# Altium PCB uz_mz_adapter.PcbDoc (part 2 of 2)
Units mm, origin at the board's own origin, x right, y up, seen from the top; angles counter-clockwise.
Board outline 188 x 149.6 mm, 4 copper layers (Top Layer, L02_GND, Signal, Bottom Layer), stack 0.849 mm thick; 41 components, 175 nets, 808 pads, 287 vias.
Unrouted connection lines stored in the file: 183.
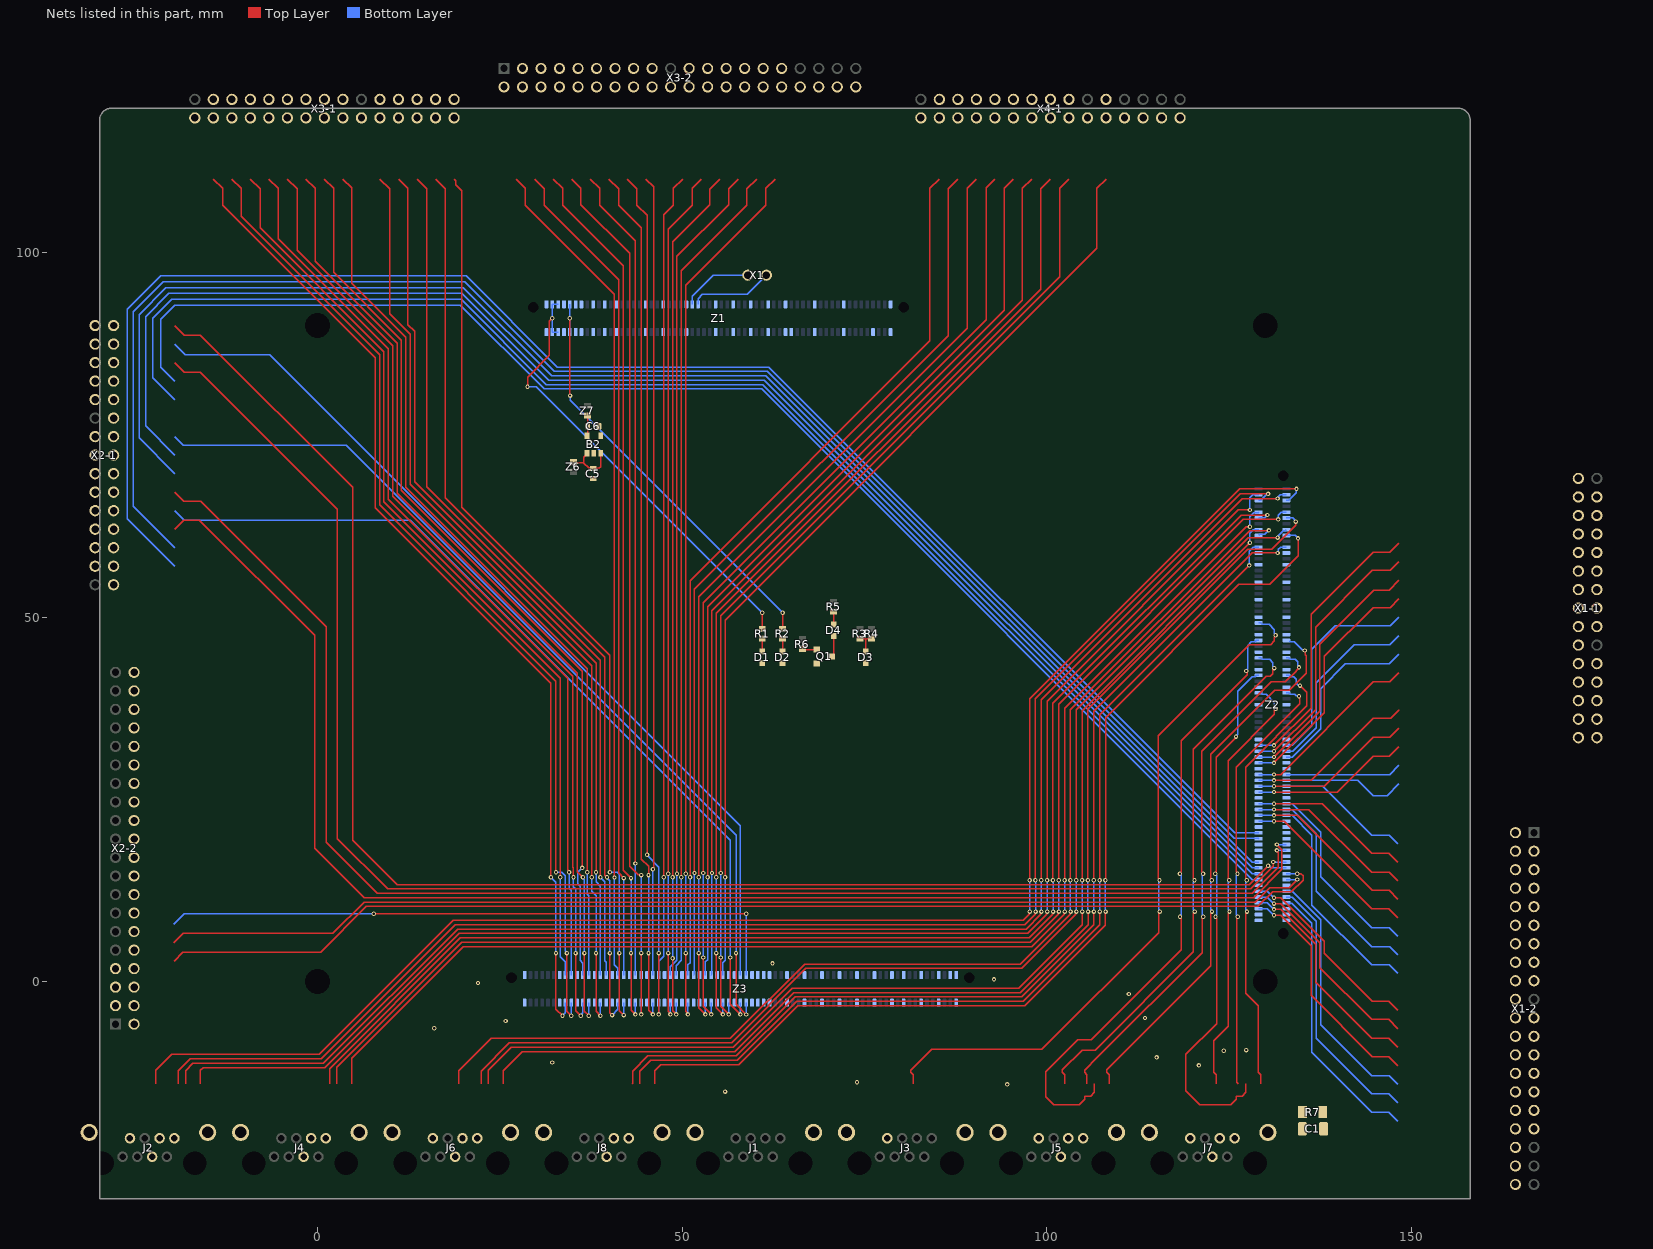
[diagram p4: the nets of this part, all layers, seen from the top]

## Via types
v1: diameter 0.6, hole 0.3, Top Layer to Bottom Layer, tented both sides, 287 vias

## Nets (pads, with @x,y where several pads share a name; then routed paths per layer and width w, separated by ;. In a path a pad name is that pad's centre, name@x,y a point inside that pad or via, vN(x,y) a via of type N, cw(c..) or ccw(c..) an arc to the next point about the centre after c; other vN are vias at no path point) (continued)
AI_P8: J3.7 Z2.47 | length 96.6
  Top Layer w0.2: 81.694,-13.995 81.694,-12.775 81.384,-12.465 81.384,-12.17 84.254,-9.3 99.366,-9.3 115.362,6.696 115.362,9.328 115.525,9.492 v1(115.525,9.6) ; v1(115.5,13.9) 115.5,14.008 115.337,14.172 115.337,33.737 127.8,46.2 130.729,46.2 131.264,46.734 131.264,47.228 131.427,47.392 v1(131.427,47.5)
  Bottom Layer w0.2: v1(115.5,13.9) 115.5,13.792 115.362,13.653 115.362,9.872 115.525,9.708 v1(115.525,9.6) ; Z2.47@129.1,49.2 129.4,49.2 129.6,49 130.529,49 131.264,48.266 131.264,47.772 131.427,47.608 v1(131.427,47.5)
AI_P9: J5.1 Z2.54 | length 75
  Top Layer w0.2: 108.592,-13.995 108.592,-12.775 108.282,-12.465 108.282,-12.084 122.537,2.171 122.537,9.328 122.7,9.492 v1(122.7,9.6) ; v1(122.675,13.9) 122.675,14.008 122.511,14.172 122.511,31.211 131.283,39.983 133.283,39.983 135.6,42.3 135.6,44.71 135.491,44.819 135.491,45.338 v1(135.414,45.414)
  Bottom Layer w0.2: v1(122.675,13.9) 122.675,13.792 122.537,13.653 122.537,9.872 122.7,9.708 v1(122.7,9.6) ; Z2.54@133.283,46.717 133.4,46.6 133.997,46.6 135.106,45.491 135.338,45.491 v1(135.414,45.414)
AI_P10: J5.3 Z2.53 | length 85.7
  Top Layer w0.2: 106.552,-13.995 106.552,-15.215 106.058,-15.709 105.339,-15.709 105.222,-15.826 105.222,-16.157 104.479,-16.9 101,-16.9 99.9,-15.8 99.9,-12.4 104.3,-8 106.134,-8 118.487,4.352 118.487,8.618 118.317,8.787 v1(118.317,8.896) ; v1(118.295,14.8) 118.295,14.908 118.459,15.072 118.459,33.024 127.543,42.109 127.543,42.349 127.4,42.492 v1(127.4,42.6)
  Bottom Layer w0.2: v1(118.317,8.896) 118.317,9.004 118.48,9.167 118.48,14.507 v1@118.338,14.649 ; v1(127.4,42.6) 127.4,42.708 127.583,42.892 127.583,46.099 128.084,46.6 128.6,46.6 128.8,46.8 Z2.53@129.1,46.8
AI_P11: J5.4 Z2.60 | length 73.4
  Top Layer w0.2: 105.532,-13.995 105.532,-12.775 105.222,-12.465 105.222,-12.144 106.966,-10.4 121.337,3.971 121.337,8.628 121.5,8.792 v1(121.5,8.9) ; v1(121.475,14.8) 121.475,14.908 121.311,15.072 121.311,31.6 130.811,41.1 132.766,41.1 134.267,42.601 134.267,42.631 134.627,42.992 v1(134.627,43.1)
  Bottom Layer w0.2: v1(121.475,14.8) 121.475,14.692 121.337,14.553 121.337,9.172 121.5,9.008 v1(121.5,8.9) ; Z2.60@132.9,44.4 133.2,44.4 133.4,44.2 134.112,44.2 134.464,43.849 134.464,43.372 134.627,43.208 v1(134.627,43.1)
AI_P12: J5.7 Z2.59 | length 73.9
  Top Layer w0.2: 102.472,-13.995 102.472,-12.775 102.162,-12.465 102.162,-12.104 104.866,-9.4 106.7,-9.4 120.162,4.062 120.162,9.328 120.325,9.492 v1(120.325,9.6) ; v1(120.3,13.9) 120.3,14.008 120.137,14.172 120.137,31.871 130.149,41.883 130.712,41.883 131.064,42.234 131.064,42.728 131.227,42.892 v1(131.227,43)
  Bottom Layer w0.2: v1(120.3,13.9) 120.3,13.792 120.162,13.653 120.162,9.872 120.325,9.708 v1(120.325,9.6) ; Z2.59@129.1,44.4 129.4,44.4 129.6,44.2 130.629,44.2 131.064,43.766 131.064,43.272 131.227,43.108 v1(131.227,43)
AI_P13: J7.1 Z2.66 | length 62.4
  Top Layer w0.2: v1(127.475,13.9) 127.475,14.008 127.3,14.183 127.3,29.434 135.7,37.834 135.7,39.677 134.781,40.596 v1(134.769,40.596) ; v1(127.5,9.6) 127.5,9.492 127.336,9.328 127.336,-1.574 129.06,-3.298 129.06,-12.465 129.37,-12.775 129.37,-13.995
  Bottom Layer w0.2: v1(127.475,13.9) 127.475,13.792 127.336,13.653 127.336,9.872 127.5,9.708 v1(127.5,9.6) ; Z2.66@132.9,42 133.2,42 133.4,41.8 133.916,41.8 134.267,41.449 134.267,40.913 134.508,40.672 134.584,40.672 134.732,40.524 v1@134.732,40.477
AI_P14: J7.3 Z2.65 | length 73
  Top Layer w0.2: v1(123.148,14.8) 123.148,14.908 123.311,15.072 123.311,30.777 125.717,33.183 125.717,33.209 126,33.492 v1(126,33.6) ; v1(123.173,8.9) 123.173,8.792 123.336,8.628 123.336,-5.763 119.1,-10 119.1,-14.966 121.034,-16.9 125.257,-16.9 126,-16.157 126,-15.826 126.117,-15.709 126.836,-15.709 127.33,-15.215 127.33,-13.995
  Bottom Layer w0.2: v1(123.148,14.8) 123.148,14.692 123.336,14.503 123.336,9.172 123.173,9.008 v1(123.173,8.9) ; v1(126,33.6) 126,33.708 126.212,33.92 126.212,39.812 128.2,41.8 128.6,41.8 128.8,42 Z2.65@129.1,42
AI_P15: J7.4 Z2.72 | length 59.1
  Top Layer w0.2: v1(126.197,14.8) 126.197,14.908 126.034,15.072 126.034,29.423 134.746,38.136 134.746,38.755 134.706,38.795 134.706,39.06 v1(134.629,39.137) ; v1(126.225,8.9) 126.225,8.792 126.062,8.629 126.062,-12.453 126.105,-12.496 126.105,-13.79 126.31,-13.995
  Bottom Layer w0.2: v1(126.197,14.8) 126.197,14.692 126.055,14.55 126.055,9.178 126.225,9.008 v1(126.225,8.9) ; Z2.72@132.9,39.6 133.2,39.6 133.4,39.4 134.084,39.4 134.27,39.213 134.553,39.213 v1(134.629,39.137)
AI_P16: J7.7 Z2.71 | length 59
  Top Layer w0.2: 123.25,-13.995 123.25,-12.775 122.94,-12.465 122.94,-8.126 124.936,-6.129 124.936,9.328 125.1,9.492 v1(125.1,9.6) ; v1(125.075,13.9) 125.075,14.008 124.911,14.172 124.911,30.311 131.264,36.663 131.264,37.128 131.427,37.292 v1(131.427,37.4)
  Bottom Layer w0.2: v1(125.075,13.9) 125.075,13.792 124.936,13.653 124.936,9.872 125.1,9.708 v1(125.1,9.6) ; Z2.71@129.1,39.6 129.4,39.6 129.6,39.4 130.116,39.4 131.264,38.252 131.264,37.672 131.427,37.508 v1(131.427,37.4)
EXT_DIO_0: X3-1.2 Z3.15 | length 136.6
  Top Layer w0.2: -14.3,110.1 -13,108.8 -13,106.5 7.9,85.6 7.9,65 32,40.9 v1(32,14.3) ; v1(32.7,3.9) 32.7,-3.8 v1(33.6,-4.7)
  Bottom Layer w0.2: v1(32,14.3) 32.7,13.6 v1(32.7,3.9) ; v1(33.6,-4.7) 33.6,-4.651 34,-4.251 Z3.15@34,-2.9
EXT_DIO_1: X3-1.3 Z3.17 | length 136.4
  Top Layer w0.2: -11.76,110.1 -10.5,108.84 -10.5,105 8.5,86 8.5,81.4 8.5,65.4 32.7,41.2 v1(32.7,15) ; v1(34.2,3.9) 34.2,-4.1 v1(34.8,-4.7)
  Bottom Layer w0.2: v1(32.7,15) 33.5,15 34,14.5 34,4.208 34.2,4.008 v1(34.2,3.9) ; v1(34.8,-4.7) Z3.17@34.8,-2.9
EXT_DIO_2: X3-1.4 Z3.16 | length 127.1
  Top Layer w0.2: -9.22,110.1 -7.9,108.78 -7.9,103.4 9.1,86.4 9.1,80.3 9.1,65.8 33.3,41.6 v1(33.3,14.3)
  Bottom Layer w0.2: v1(33.3,14.3) 33.3,3.4 34,2.7 Z3.16@34,0.9
EXT_DIO_3: X3-1.5 Z3.18 | length 126.4
  Top Layer w0.2: -6.68,110.1 -5.4,108.82 -5.4,101.9 9.7,86.8 9.7,83.3 9.7,66.2 34.3,41.6 34.3,15.308 34.5,15.108 v1(34.5,15)
  Bottom Layer w0.2: v1(34.5,15) 34.5,12.8 34.8,12.5 Z3.18@34.8,0.9
EXT_DIO_4: X3-1.6 Z3.21 | length 133.4
  Top Layer w0.2: -4.14,110.1 -2.8,108.76 -2.8,100.3 10.3,87.2 10.3,66.6 35,41.9 35,15.7 35.1,15.6 v1(35.1,14.3) ; v1(35.4,3.9) 35.4,-4 v1(36.1,-4.7)
  Bottom Layer w0.2: v1(35.1,14.3) 35.1,13 35.4,12.7 v1(35.4,3.9) ; v1(36.1,-4.7) 36.1,-4.592 36.4,-4.292 Z3.21@36.4,-2.9
EXT_DIO_5: X3-1.7 Z3.23 | length 132.7
  Top Layer w0.2: -1.6,110.1 -0.3,108.8 -0.3,98.8 10.9,87.6 10.9,67 35.6,42.3 35.6,15.1 v1(36.4,14.3) ; v1(36.6,3.9) 36.6,-4.051 37.2,-4.651 v1(37.2,-4.7)
  Bottom Layer w0.2: v1(36.4,14.3) 36.4,14.192 36.6,13.992 v1(36.6,3.9) ; v1(37.2,-4.7) Z3.23@37.2,-2.9
EXT_DIO_6: X3-1.8 Z3.22 | length 124.4
  Top Layer w0.2: 0.94,110.1 2.2,108.84 2.2,97.3 11.5,88 11.5,67.4 36.3,42.6 v1(36.3,15.6)
  Bottom Layer w0.2: v1(36.3,15.6) 35.7,15 35.7,13.4 36,13.1 36,2.925 36.4,2.525 Z3.22@36.4,0.9
EXT_DIO_7: X3-1.9 Z3.24 | length 123.2
  Top Layer w0.2: 3.48,110.1 4.7,108.88 4.7,95.8 12.1,88.4 12.1,67.8 37,42.9 v1(37,15)
  Bottom Layer w0.2: v1(37,15) 37,12 37.2,11.8 Z3.24@37.2,0.9
EXT_DIO_8: X3-1.11 Z3.27 | length 129.1
  Top Layer w0.2: 8.56,110.1 9.9,108.76 9.9,91.6 12.7,88.8 12.7,68.2 37.6,43.3 v1(37.6,14.3) ; v1(38.2,3.9) 38.2,-4.1 v1(38.8,-4.7)
  Bottom Layer w0.2: v1(37.6,14.3) 37.6,12.4 38.2,11.8 v1(38.2,3.9) ; v1(38.8,-4.7) Z3.27@38.8,-2.9
EXT_DIO_9: Z3.29
EXT_DIO_10: X3-1.12 Z3.28 | length 120.7
  Top Layer w0.2: 11.1,110.1 12.4,108.8 12.4,90.1 13.3,89.2 13.3,85.8 13.3,68.6 38.2,43.7 v1(38.2,15)
  Bottom Layer w0.2: v1(38.2,15) 38.2,13.7 38.8,13.1 Z3.28@38.8,0.9
EXT_DIO_11: X3-1.13 Z3.30 | length 120
  Top Layer w0.2: 13.64,110.1 15,108.74 15,67.9 38.8,44.1 v1(38.8,14.3)
  Bottom Layer w0.2: v1(38.8,14.3) 39.4,13.7 39.4,2.875 39.6,2.675 Z3.30@39.6,0.9
EXT_DIO_12: X3-1.14 Z3.33 | length 126.8
  Top Layer w0.2: 16.18,110.1 17.5,108.78 17.5,66.4 39.4,44.5 39.4,14.617 39.7,14.317 v1(39.7,14.3) ; v1(40.1,3.9) 40.1,-4.283 40.4,-4.583 v1(40.4,-4.6)
  Bottom Layer w0.2: v1(39.7,14.3) 39.7,14.251 40.1,13.851 v1(40.1,3.9) ; v1(40.4,-4.6) 41.2,-3.8 Z3.33@41.2,-2.9
EXT_DIO_13: X3-1.15 Z3.35 | length 126.6
  Top Layer w0.2: 18.72,110.1 18.973,109.847 18.973,109.327 19.8,108.5 19.8,65.1 40.1,44.8 v1(40.1,15) ; v1(41.4,3.9) 41.4,-4 v1(42,-4.6)
  Bottom Layer w0.2: v1(40.1,15) 41.1,15 41.4,14.7 v1(41.4,3.9) ; v1(42,-4.6) Z3.35@42,-2.9
EXT_DIO_14: X3-2.2 Z3.34 | length 115
  Top Layer w0.2: 27.24,110.1 28.5,108.84 28.5,106.5 40.7,94.3 40.7,14.3 v1(40.723,14.277)
  Bottom Layer w0.2: v1(40.723,14.277) 40.723,2.277 41.2,1.8 Z3.34@41.2,0.9
EXT_DIO_15: X3-2.3 Z3.36 | length 114.3
  Top Layer w0.2: 29.78,110.1 31.1,108.78 31.1,106.5 41.3,96.3 41.3,14.9 v1(42,14.2)
  Bottom Layer w0.2: Z3.36@42,0.9 v1(42,14.2)
EXT_DIO_16: X3-2.4 Z3.39 | length 120.9
  Top Layer w0.2: 32.32,110.1 33.6,108.82 33.6,106.5 41.9,98.2 41.9,15.3 v1(43,14.2) ; v1(43,3.9) 43,-3.9 v1(43.6,-4.5)
  Bottom Layer w0.2: v1(43,3.9) v1(43,14.2) ; v1(43.6,-4.5) Z3.39@43.6,-2.9
EXT_DIO_17: X3-2.5 Z3.41 | length 120.4
  Top Layer w0.2: 34.86,110.1 36.1,108.86 36.1,106.6 42.8,99.9 42.8,15.8 43.976,14.624 44.376,14.624 v1(44.4,14.6) ; v1(44.4,-4.5) v1(44.4,3.9)
  Bottom Layer w0.2: v1(44.4,-4.5) Z3.41@44.4,-2.9 ; v1(44.4,3.9) v1(44.4,14.6)
EXT_DIO_18: X3-2.6 Z3.40 | length 111.8
  Top Layer w0.2: 37.4,110.1 38.7,108.8 38.7,106.5 43.6,101.6 v1(43.6,16.2)
  Bottom Layer w0.2: Z3.40@43.6,0.9 v1(43.6,16.2)
EXT_DIO_19: Z3.42
EXT_DIO_20: X3-2.7 Z3.45 | length 118.7
  Top Layer w0.2: 39.94,110.1 41.3,108.74 41.3,106.5 44.4,103.4 44.4,16.8 45.4,15.8 v1(45.4,14.6) ; v1(45.4,3.9) 45.4,-3.9 v1(46,-4.5)
  Bottom Layer w0.2: v1(45.4,3.9) 45.4,13.892 45.408,13.9 45.408,14.592 v1(45.4,14.6) ; v1(46,-4.5) Z3.45@46,-2.9
EXT_DIO_21: X3-2.8 Z3.47 | length 118
  Top Layer w0.2: 42.48,110.1 43.8,108.78 43.8,106.5 45.2,105.1 v1(45.2,17.4) ; v1(46.8,-4.5) v1(46.8,3.9)
  Bottom Layer w0.2: v1(45.2,17.4) 45.2,17.3 46.8,15.7 v1(46.8,3.9) ; v1(46.8,-4.5) Z3.47@46.8,-2.9
EXT_DIO_22: X3-2.9 Z3.46 | length 109.7
  Top Layer w0.2: 45.02,110.1 46.082,109.038 46.082,15.59 46,15.508 v1(46,15.4)
  Bottom Layer w0.2: Z3.46@46,0.9 v1(46,15.4)
EXT_DIO_23: X3-2.11 Z3.48 | length 110.6
  Top Layer w0.2: v1(47.5,14.3) 47.5,105.2 48.8,106.5 48.8,108.8 50.1,110.1
  Bottom Layer w0.2: Z3.48@46.8,0.9 46.8,2.8 47.5,3.5 v1(47.5,14.3)
EXT_DIO_24: X3-2.12 Z3.51 | length 118.2
  Top Layer w0.2: v1(48.1,3.9) 48.1,-4.092 48.4,-4.392 v1(48.4,-4.5) ; v1(48.1,14.8) 48.1,103.2 51.4,106.5 51.4,108.86 52.64,110.1
  Bottom Layer w0.2: v1(48.1,3.9) v1(48.1,14.8) ; v1(48.4,-4.5) Z3.51@48.4,-2.9
EXT_DIO_25: X3-2.13 Z3.53 | length 119.1
  Top Layer w0.2: v1(48.7,3.2) 48.7,-4 v1(49.2,-4.5) ; v1(48.7,14.3) 48.7,101.5 53.8,106.6 53.8,108.72 55.18,110.1
  Bottom Layer w0.2: v1(48.7,3.2) v1(48.7,14.3) ; v1(49.2,-4.5) Z3.53@49.2,-2.9
EXT_DIO_26: X3-2.14 Z3.52 | length 113.1
  Top Layer w0.2: v1(49.3,14.8) 49.3,99.5 56.4,106.6 56.4,108.78 57.72,110.1
  Bottom Layer w0.2: Z3.52@48.4,0.9 48.4,2 49.3,2.9 v1(49.3,14.8)
EXT_DIO_27: X3-2.15 Z3.54 | length 113.8
  Top Layer w0.2: v1(49.9,14.3) 49.9,97.5 58.9,106.5 58.9,108.74 60.26,110.1
  Bottom Layer w0.2: Z3.54@49.2,0.9 49.2,2.2 49.9,2.9 v1(49.9,14.3)
EXT_DIO_28: X3-2.16 Z3.57 | length 121.4
  Top Layer w0.2: v1(50.5,3.9) 50.5,-4.092 50.8,-4.392 v1(50.8,-4.5) ; v1(50.5,14.8) 50.5,95.5 61.5,106.5 61.5,108.8 62.8,110.1
  Bottom Layer w0.2: v1(50.5,3.9) v1(50.5,14.8) ; v1(50.8,-4.5) Z3.57@50.8,-2.9
EXT_DIO_29: Z3.59
EXT_DIO_30: X4-1.2 Z3.58 | length 123.5
  Top Layer w0.2: v1(51.1,14.3) 51.1,55 84,87.9 84,108.8 85.3,110.1
  Bottom Layer w0.2: Z3.58@50.8,0.9 50.8,2.3 51.1,2.6 v1(51.1,14.3)
EXT_DIO_31: X4-1.3 Z3.60 | length 124.2
  Top Layer w0.2: v1(51.7,14.9) 51.7,53.8 86.5,88.6 86.5,108.76 87.84,110.1
  Bottom Layer w0.2: Z3.60@51.6,0.9 51.7,1 v1(51.7,14.9)
EXT_DIO_32: X4-1.4 Z3.63 | length 132.3
  Top Layer w0.2: v1(52.3,3.9) 52.3,-3.6 v1(53.2,-4.5) ; v1(52.3,14.3) 52.3,52.8 89.1,89.6 89.1,108.82 90.38,110.1
  Bottom Layer w0.2: v1(52.3,3.9) v1(52.3,14.3) ; v1(53.2,-4.5) Z3.63@53.2,-2.9
EXT_DIO_33: X4-1.5 Z3.65 | length 133.2
  Top Layer w0.2: v1(52.9,3.3) 52.9,-3.4 v1(54,-4.5) ; v1(52.9,14.9) 52.9,52 91.7,90.8 91.7,108.88 92.92,110.1
  Bottom Layer w0.2: v1(52.9,3.3) v1(52.9,14.9) ; v1(54,-4.5) Z3.65@54,-2.9
EXT_DIO_34: X4-1.6 Z3.64 | length 126.7
  Top Layer w0.2: v1(53.5,14.3) 53.5,51.4 94.2,92.1 94.2,108.84 95.46,110.1
  Bottom Layer w0.2: Z3.64@53.2,0.9 53.2,2.7 53.5,3 v1(53.5,14.3)
EXT_DIO_35: X4-1.7 Z3.66 | length 127.4
  Top Layer w0.2: v1(54.1,14.9) 54.1,50.9 96.7,93.5 96.7,108.8 98,110.1
  Bottom Layer w0.2: Z3.66@54,0.9 54.1,1 v1(54.1,14.9)
EXT_DIO_36: X4-1.8 Z3.69 | length 135.6
  Top Layer w0.2: v1(54.7,3.9) 54.7,-3.6 v1(55.6,-4.5) ; v1(54.7,14.3) 54.7,50.5 99.2,95 99.2,108.76 100.54,110.1
  Bottom Layer w0.2: v1(54.7,3.9) v1(54.7,14.3) ; v1(55.6,-4.5) Z3.69@55.6,-2.9
EXT_DIO_37: X4-1.9 Z3.71 | length 136.4
  Top Layer w0.2: v1(55.3,3.3) 55.3,-3.4 v1(56.4,-4.5) ; v1(55.3,14.9) 55.3,50.2 101.8,96.7 101.8,108.82 103.08,110.1
  Bottom Layer w0.2: v1(55.3,3.3) v1(55.3,14.9) ; v1(56.4,-4.5) Z3.71@56.4,-2.9
EXT_DIO_38: X4-1.11 Z3.70 | length 131
  Top Layer w0.2: v1(55.9,14.3) 55.9,49.6 106.9,100.6 106.9,108.84 108.16,110.1
  Bottom Layer w0.2: Z3.70@55.6,0.9 55.6,2.6 55.9,2.9 v1(55.9,14.3)
EXT_DIO_39: Z3.72
EXT_DIO_40: X2-1.5 Z3.75 | length 121
  Top Layer w0.2: v1(56.6,3.3) 56.6,-3.1 v1(58,-4.5)
  Bottom Layer w0.2: -19.598,64.6 -18.298,63.3 12.7,63.3 56.6,19.4 v1(56.6,3.3) ; v1(58,-4.5) Z3.75@58,-2.9
EXT_DIO_41: X2-1.9 Z3.77 | length 126.5
  Top Layer w0.2: v1(57.4,3.9) 57.4,-3.104 v1(58.816,-4.52)
  Bottom Layer w0.2: -19.6,74.76 -18.44,73.6 3.9,73.6 57.4,20.1 v1(57.4,3.9) ; Z3.77@58.8,-2.9 58.8,-4.504 v1(58.816,-4.52)
EXT_DIO_42: X2-1.14 Z3.76 | length 125.5
  Bottom Layer w0.2: -19.6,87.46 -18.122,85.982 -6.582,85.982 58,21.4 Z3.76@58,0.9
EXT_DIO_43: X2-2.4 Z3.78 | length 87.5
  Top Layer w0.2: v1(7.7,9.3) v1(58.8,9.3)
  Bottom Layer w0.2: -19.7,7.86 -18.26,9.3 v1(7.7,9.3) ; Z3.78@58.8,0.9 v1(58.8,9.3)
EXT_DIO_44: Z3.81
EXT_DIO_45: Z3.83
EXT_DIO_46: Z3.82
EXT_DIO_47: Z3.84
GND: B2.2 B2.4 C1.2 C5.1 C6.2 D1.1 D2.1 D3.1 Q1.2 R7.2 X1-1.16 X1-1.17 X1-1.18 X1-1.19 X1-1.20 X1-1.21 X1-1.22 X1-1.23 X1-1.24 X1-1.25 X1-1.26 X1-1.27 X1-1.28 X1-1.29 X1-1.30 X1-2.21 X1-2.22 X1-2.23 X1-2.24 X1-2.25 X1-2.26 X1-2.27 X1-2.28 X1-2.29 X1-2.30 X1-2.31 X1-2.32 X1-2.33 X1-2.34 X1-2.35 X1-2.36 X1-2.37 X1-2.38 X1-2.39 X1-2.40 X2-1.16 X2-1.17 X2-1.18 X2-1.19 X2-1.20 X2-1.21 X2-1.22 X2-1.23 X2-1.24 X2-1.25 X2-1.26 X2-1.27 X2-1.28 X2-1.29 X2-1.30 X2-2.21 X2-2.22 X2-2.23 X2-2.24 X2-2.25 X2-2.26 X2-2.27 X2-2.28 X2-2.29 X2-2.30 X2-2.31 X2-2.32 X2-2.33 X2-2.34 X2-2.35 X2-2.36 X2-2.37 X2-2.38 X2-2.39 X2-2.40 X3-1.16 X3-1.17 X3-1.18 X3-1.19 X3-1.20 X3-1.21 X3-1.22 X3-1.23 X3-1.24 X3-1.25 X3-1.26 X3-1.27 X3-1.28 X3-1.29 X3-1.30 X3-2.21 X3-2.22 X3-2.23 X3-2.24 X3-2.25 X3-2.26 X3-2.27 X3-2.28 X3-2.29 X3-2.30 X3-2.31 X3-2.32 X3-2.33 X3-2.34 X3-2.35 X3-2.36 X3-2.37 X3-2.38 X3-2.39 X3-2.40 X4-1.16 X4-1.17 X4-1.18 X4-1.19 X4-1.20 X4-1.21 X4-1.22 X4-1.23 X4-1.24 X4-1.25 X4-1.26 X4-1.27 X4-1.28 X4-1.29 X4-1.30 Z1.1 Z1.2 Z1.7 Z1.8 Z1.11 Z1.12 Z1.13 Z1.14 Z1.17 Z1.18 Z1.21 Z1.22 Z1.25 Z1.26 Z1.35 Z1.36 Z1.41 Z1.42 Z1.49 Z1.50 Z1.59 Z1.60 Z1.65 Z1.66 Z1.71 Z1.72 Z1.77 Z1.78 Z1.83 Z1.84 Z1.85 Z1.93 Z1.94 Z1.103 Z1.104 Z1.113 Z1.119 Z1.120 Z2.27 Z2.28 Z2.33 Z2.34 Z2.39 Z2.40 Z2.45 Z2.46 Z2.51 Z2.52 Z2.57 Z2.58 Z2.63 Z2.64 Z2.69 Z2.70 Z2.75 Z2.76 Z2.87 Z2.88 Z2.97 Z2.98 Z2.107 Z2.108 Z2.117 Z2.118 Z2.127 Z2.128 Z2.137 Z2.138 Z2.149 Z2.150 Z3.1 Z3.2 Z3.13 Z3.14 Z3.19 Z3.20 Z3.25 Z3.26 Z3.31 Z3.32 Z3.37 Z3.38 Z3.43 Z3.44 Z3.49 Z3.50 Z3.55 Z3.56 Z3.61 Z3.62 Z3.67 Z3.68 Z3.73 Z3.74 Z3.79 Z3.80 Z3.85 Z3.86 Z3.91 Z3.92 Z3.97 Z3.98 Z3.103 Z3.104 Z3.109 Z3.110 Z3.115 Z3.116 Z3.121 Z3.122 Z3.127 Z3.128 Z3.131 Z3.132 Z3.137 Z3.138 Z3.143 Z3.144 Z3.148 Z3.149 Z3.150
  other v1: 55.9,-15.1 94.6,-14.1 74,-13.8 120.9,-11.5 32.2,-11.1 115.1,-10.4 124.3,-9.5 127.4,-9.4 16,-6.4 25.8,-5.4 113.5,-5 111.3,-1.7 22,-0.2 92.8,0.3 62.4,2.5
GND-ETH: C1.1 J1.Shell J2.Shell J3.Shell J4.Shell J5.Shell J6.Shell J7.Shell J8.Shell R7.1
LS_AIN_CH0: J2.1 Z2.3 | length 197.8
  Top Layer w0.2: -16.076,-13.995 -16.076,-12.176 -15.7,-11.8 1,-11.8 19.4,6.6 97.4,6.6 100.026,9.226 100.026,9.526 v1(100.1,9.6) ; v1(100.075,13.9) 100.075,38.475 126.3,64.7 v1(127.9,64.7)
  Bottom Layer w0.2: v1(100.075,13.9) 100.087,13.888 100.087,9.613 v1(100.1,9.6) ; v1(127.9,64.7) 127.9,66.4 128.3,66.8 Z2.3@129.1,66.8
LS_AIN_CH1: J2.3 Z2.4 | length 202.9
  Top Layer w0.2: -18.116,-13.995 -18.116,-12.216 -17.1,-11.2 0.8,-11.2 19.2,7.2 97.2,7.2 99.226,9.226 99.226,9.526 v1(99.3,9.6) ; v1(99.275,13.9) 99.275,38.675 126.867,66.267 v1(131.7,66.267)
  Bottom Layer w0.2: v1(99.275,13.9) 99.287,13.888 99.287,9.613 v1(99.3,9.6) ; v1(131.7,66.267) 131.777,66.344 131.777,66.527 132.05,66.8 Z2.4@132.9,66.8
LS_AIN_CH2: J2.4 Z2.5 | length 203
  Top Layer w0.2: -19.136,-13.995 -19.136,-12.236 -17.5,-10.6 0.5,-10.6 18.9,7.8 97,7.8 97.873,8.673 98.426,9.226 98.426,9.526 v1(98.5,9.6) ; v1(98.475,13.9) 98.475,38.775 126.6,66.9 v1(130.4,66.9)
  Bottom Layer w0.2: v1(98.475,13.9) 98.487,13.888 98.487,9.613 v1(98.5,9.6) ; Z2.5@129.1,66 129.4,66 130.3,66.9 v1(130.4,66.9)
LS_AIN_CH3: J2.7 Z2.6 | length 211
  Top Layer w0.2: -22.196,-13.995 -22.196,-12.196 -20,-10 0.2,-10 18.6,8.4 96.8,8.4 97.626,9.226 97.626,9.526 v1(97.7,9.6) ; v1(97.675,13.9) 97.675,38.775 126.5,67.6 134.271,67.6 v1(134.286,67.585)
  Bottom Layer w0.2: v1(97.675,13.9) 97.687,13.888 97.687,9.613 v1(97.7,9.6) ; Z2.6@132.9,66 133.2,66 134.26,67.06 134.26,67.558 v1(134.286,67.585)
LS_AIN_CH4: J4.1 Z2.9 | length 176.3
  Top Layer w0.2: 4.702,-13.995 4.702,-10.498 20,4.8 98,4.8 102.426,9.226 102.426,9.526 v1(102.5,9.6) ; v1(102.475,13.9) 102.475,37.475 127.4,62.4 v1(127.9,62.4)
  Bottom Layer w0.2: v1(102.475,13.9) 102.487,13.888 102.487,9.613 v1(102.5,9.6) ; v1(127.9,62.4) 127.9,63.8 128.412,64.312 129.012,64.312 Z2.9@129.1,64.4
LS_AIN_CH5: J4.3 Z2.10 | length 181.3
  Top Layer w0.2: 2.662,-13.995 2.662,-11.738 19.8,5.4 97.8,5.4 101.626,9.226 101.626,9.526 v1(101.7,9.6) ; v1(101.675,13.9) 101.675,38.075 127,63.4 v1(131.8,63.4)
  Bottom Layer w0.2: v1(101.675,13.9) 101.687,13.888 101.687,9.613 v1(101.7,9.6) ; v1(131.8,63.4) 131.8,64 132.167,64.367 132.867,64.367 Z2.10@132.9,64.4
LS_AIN_CH6: J4.4 Z2.11 | length 180.5
  Top Layer w0.2: 1.642,-13.995 1.642,-11.958 19.6,6 97.6,6 100.826,9.226 100.826,9.526 v1(100.9,9.6) ; v1(100.875,13.9) 100.875,38.175 126.7,64 v1(130.3,64)
  Bottom Layer w0.2: v1(100.875,13.9) 100.887,13.888 100.887,9.613 v1(100.9,9.6) ; Z2.11@129.1,63.6 129.95,63.6 130.3,63.95 v1(130.3,64)
LS_AIN_CH7: J6.1 Z2.12 | length 160.9
  Top Layer w0.2: 25.48,-13.995 25.48,-12.22 28.1,-9.6 57.2,-9.6 65.3,-1.5 96.4,-1.5 105.7,7.8 v1(105.7,9.6) ; v1(105.675,13.9) 105.675,37.375 127.6,59.3 130.9,59.3 134.2,62.6 v1(134.2,63.1)
  Bottom Layer w0.2: v1(105.675,13.9) 105.687,13.888 105.687,9.613 v1(105.7,9.6) ; Z2.12@132.9,63.6 133.75,63.6 134.2,63.15 v1(134.2,63.1)
LS_AIN_CH8: J6.3 Z2.15 | length 156.2
  Top Layer w0.2: 23.44,-13.995 23.44,-12.16 26.6,-9 57,-9 65.1,-0.9 96.2,-0.9 104.9,7.8 v1(104.9,9.6) ; v1(104.875,13.9) 104.875,37.175 v1(127.9,60.2)
  Bottom Layer w0.2: v1(104.875,13.9) 104.887,13.888 104.887,9.613 v1(104.9,9.6) ; v1(127.9,60.2) 127.9,61.5 128.367,61.967 129.067,61.967 Z2.15@129.1,62
LS_AIN_CH9: J6.4 Z2.16 | length 159.5
  Top Layer w0.2: 22.42,-13.995 22.42,-12.28 26.3,-8.4 56.8,-8.4 67,1.8 96.6,1.8 104.026,9.226 104.026,9.526 v1(104.1,9.6) ; v1(104.075,13.9) 104.075,37.275 127.699,60.899 v1(131.7,60.899)
  Bottom Layer w0.2: v1(104.075,13.9) 104.087,13.888 104.087,9.613 v1(104.1,9.6) ; v1(131.7,60.899) 131.777,60.976 131.777,61.177 132.462,61.862 132.762,61.862 Z2.16@132.9,62
LS_AIN_CH10: J6.7 Z2.17 | length 161.7
  Top Layer w0.2: 19.36,-13.995 19.36,-12.24 23.8,-7.8 56.6,-7.8 66.8,2.4 96.4,2.4 103.226,9.226 103.226,9.526 v1(103.3,9.6) ; v1(103.275,13.9) 103.275,37.275 127.873,61.873 130.473,61.873 v1(130.5,61.9)
  Bottom Layer w0.2: v1(103.275,13.9) 103.287,13.888 103.287,9.613 v1(103.3,9.6) ; Z2.17@129.1,61.2 129.25,61.35 129.95,61.35 v1(130.5,61.9)
LS_AIN_CH11: J8.1 Z2.18 | length 140.1
  Top Layer w0.2: 46.258,-13.995 46.258,-12.242 47.1,-11.4 57.8,-11.4 65.9,-3.3 97,-3.3 108.024,7.724 108.024,9.524 v1(108.1,9.6) ; v1(108.075,13.9) 108.1,13.925 108.1,36.2 126.4,54.5 130.6,54.5 134.5,58.4 v1(134.5,60.8)
  Bottom Layer w0.2: v1(108.075,13.9) 108.087,13.888 108.087,9.613 v1(108.1,9.6) ; Z2.18@132.9,61.2 134.1,61.2 v1(134.5,60.8)
LS_AIN_CH12: J8.3 Z2.21 | length 134.4
  Top Layer w0.2: 44.218,-13.995 44.218,-12.282 45.7,-10.8 57.6,-10.8 65.7,-2.7 96.8,-2.7 107.3,7.8 v1(107.3,9.6) ; v1(107.275,13.9) 107.275,36.575 v1(127.8,57.1)
  Bottom Layer w0.2: v1(107.275,13.9) 107.287,13.888 107.287,9.613 v1(107.3,9.6) ; v1(127.8,57.1) 127.8,59 128.367,59.567 129.067,59.567 Z2.21@129.1,59.6
LS_AIN_CH13: J8.4 Z2.22 | length 138.6
  Top Layer w0.2: 43.198,-13.995 43.213,-13.98 43.213,-12.287 45.3,-10.2 57.4,-10.2 65.5,-2.1 96.6,-2.1 106.5,7.8 v1(106.5,9.6) ; v1(106.475,13.9) 106.475,37.075 128.199,58.799 v1(131.7,58.799)
  Bottom Layer w0.2: v1(106.475,13.9) 106.487,13.888 106.487,9.613 v1(106.5,9.6) ; v1(131.7,58.799) 131.777,58.876 131.777,59.277 132.1,59.6 Z2.22@132.9,59.6
LS_AIN_CH14: Z2.23
LS_AIN_CH15: Z2.24
M1_PWM_EN: X1-1.5 Z2.95 | length 33.1
  Top Layer w0.2: v1(131.2,30) 138.1,36.9 138.1,44.6 144.8,51.3 147.128,51.3 148.348,52.52
  Bottom Layer w0.2: Z2.95@129.1,30 v1(131.2,30)
M1_PWM_H1: X1-1.2 Z2.89 | length 38.3
  Top Layer w0.2: v1(131.2,32.4) 136.3,37.5 136.3,50.4 144.8,58.9 147.108,58.9 148.348,60.14
  Bottom Layer w0.2: Z2.89@129.1,32.4 v1(131.2,32.4)
M1_PWM_H2: X1-1.3 Z2.91 | length 36.6
  Top Layer w0.2: v1(131.2,31.6) 136.9,37.3 136.9,48.6 144.7,56.4 147.148,56.4 148.348,57.6
  Bottom Layer w0.2: Z2.91@129.1,31.6 v1(131.2,31.6)
M1_PWM_H3: X1-1.4 Z2.93 | length 34.7
  Top Layer w0.2: v1(131.2,30.8) 137.5,37.1 137.5,46.3 144.9,53.7 146.988,53.7 148.348,55.06
  Bottom Layer w0.2: Z2.93@129.1,30.8 v1(131.2,30.8)
M1_PWM_L1: X1-1.6 Z2.90 | length 28.9
  Bottom Layer w0.2: Z2.90@132.9,32.4 133.7,32.4 136.4,35.1 136.4,45.6 139.6,48.8 147.168,48.8 148.348,49.98
M1_PWM_L2: X1-1.7 Z2.92 | length 25.6
  Bottom Layer w0.2: Z2.92@132.9,31.6 133.8,31.6 137,34.8 137,41 142.2,46.2 147.108,46.2 148.348,47.44
M1_PWM_L3: X1-1.8 Z2.94 | length 24.5
  Bottom Layer w0.2: Z2.94@132.9,30.8 133.7,30.8 137.6,34.7 137.6,40.2 141,43.6 147.048,43.6 148.348,44.9
M1_TEMP_H1: X2-1.2 Z2.119 | length 226.7
  Bottom Layer w0.2: -19.598,56.98 -26.098,63.48 -26.098,92.202 -21.5,96.8 20.4,96.8 32.9,84.3 61.9,84.3 125.8,20.4 Z2.119@129.1,20.4
M1_TEMP_H2: X2-1.3 Z2.121 | length 222.5
  Bottom Layer w0.2: -19.598,59.52 -25.298,65.22 -25.298,91.867 -21.165,96 20.2,96 32.5,83.7 61.7,83.7 125.736,19.664 129.036,19.664 Z2.121@129.1,19.6
M1_TEMP_H3: X2-1.4 Z2.124 | length 197.6
  Top Layer w0.2: -19.6,62.06 -18.36,63.3 -16.2,63.3 -0.4,47.5 -0.4,18.3 6.4,11.5 128.4,11.5 132.3,15.4 132.3,18.1 v1(131.6,18.8)
  Bottom Layer w0.2: v1(131.6,18.8) Z2.124@132.9,18.8
M2_PWM_EN: X1-1.13 Z2.105 | length 21.8
  Top Layer w0.2: v1(131.2,26) 139.9,26 144.8,30.9 147.048,30.9 148.348,32.2
  Bottom Layer w0.2: Z2.105@129.1,26 v1(131.2,26)
M2_PWM_H1: X1-1.9 Z2.99 | length 25
  Top Layer w0.2: v1(131.2,28.4) 132.1,28.4 144.8,41.1 147.088,41.1 148.348,42.36
  Bottom Layer w0.2: Z2.99@129.1,28.4 v1(131.2,28.4)
M2_PWM_H2: X1-1.11 Z2.101 | length 23.3
  Top Layer w0.2: v1(131.2,27.6) 136.3,27.6 144.8,36.1 147.2,36.1 148.348,37.248 148.348,37.28
  Bottom Layer w0.2: Z2.101@129.1,27.6 v1(131.2,27.6)
M2_PWM_H3: X1-1.12 Z2.103 | length 22.5
  Top Layer w0.2: v1(131.2,26.8) 138.1,26.8 144.8,33.5 147.108,33.5 148.348,34.74
  Bottom Layer w0.2: Z2.103@129.1,26.8 v1(131.2,26.8)
M2_PWM_L1: X1-1.14 Z2.100 | length 16
  Bottom Layer w0.2: Z2.100@132.9,28.4 147.088,28.4 148.348,29.66
M2_PWM_L2: X1-1.15 Z2.102 | length 17
  Bottom Layer w0.2: Z2.102@132.9,27.6 142.7,27.6 144.8,25.5 146.728,25.5 148.348,27.12
M2_PWM_L3: X1-2.2 Z2.104 | length 18.6
  Bottom Layer w0.2: Z2.104@132.9,26.8 137.9,26.8 144.6,20.1 147.02,20.1 148.2,18.92
M2_TEMP_H1: X2-1.6 Z2.126 | length 196.7
  Top Layer w0.2: -19.6,67.14 -18.36,65.9 -16,65.9 1.2,48.7 1.2,19.1 8.2,12.1 128.2,12.1 131.8,15.7 131.8,17.692 131.6,17.892 v1(131.6,18)
  Bottom Layer w0.2: v1(131.6,18) Z2.126@132.9,18
M2_TEMP_H2: X2-1.7 Z2.129 | length 211.6
  Bottom Layer w0.2: -19.598,69.68 -24.498,74.58 -24.498,91.502 -20.8,95.2 20,95.2 32.1,83.1 61.5,83.1 128.2,16.4 Z2.129@129.1,16.4
M2_TEMP_H3: X2-1.8 Z2.131 | length 207.3
  Bottom Layer w0.2: -19.598,72.22 -23.598,76.22 -23.598,91.202 -20.4,94.4 19.8,94.4 31.7,82.5 61.3,82.5 128.2,15.6 Z2.131@129.1,15.6
M3_PWM_EN: X1-2.6 Z2.115 | length 24.6
  Top Layer w0.2: v1(131.2,22) 132.6,22 144.6,10 146.96,10 148.2,8.76
  Bottom Layer w0.2: Z2.115@129.1,22 v1(131.2,22)
M3_PWM_H1: X1-2.3 Z2.109 | length 22.4
  Top Layer w0.2: v1(131.2,24.4) 137.8,24.4 144.6,17.6 146.98,17.6 148.2,16.38
  Bottom Layer w0.2: Z2.109@129.1,24.4 v1(131.2,24.4)
M3_PWM_H2: X1-2.4 Z2.111 | length 23.1
  Top Layer w0.2: v1(131.2,23.6) 136,23.6 144.6,15 147.04,15 148.2,13.84
  Bottom Layer w0.2: Z2.111@129.1,23.6 v1(131.2,23.6)
M3_PWM_H3: X1-2.5 Z2.113 | length 23.9
  Top Layer w0.2: v1(131.2,22.8) 134.4,22.8 144.7,12.5 147,12.5 148.2,11.3
  Bottom Layer w0.2: Z2.113@129.1,22.8 v1(131.2,22.8)
M3_PWM_L1: X1-2.7 Z2.110 | length 26.4
  Bottom Layer w0.2: Z2.110@132.9,24.4 133.7,24.4 137.6,20.5 137.6,14.4 144.6,7.4 147.02,7.4 148.2,6.22
M3_PWM_L2: X1-2.8 Z2.112 | length 28.2
  Bottom Layer w0.2: Z2.112@132.9,23.6 133.7,23.6 137,20.3 137,12.4 144.6,4.8 147.08,4.8 148.2,3.68
M3_PWM_L3: X1-2.9 Z2.114 | length 29.9
  Bottom Layer w0.2: Z2.114@132.9,22.8 133.7,22.8 136.4,20.1 136.4,10.5 144.6,2.3 147.04,2.3 148.2,1.14
M3_TEMP_H1: X2-1.11 Z2.133 | length 197.8
  Bottom Layer w0.2: -19.598,79.84 -22.598,82.84 -22.598,91.002 -20,93.6 19.7,93.6 31.4,81.9 61.1,81.9 128.2,14.8 Z2.133@129.1,14.8
M3_TEMP_H2: X2-1.12 Z2.135 | length 193.3
  Bottom Layer w0.2: -19.598,82.38 -21.498,84.28 -21.498,90.894 -19.592,92.8 19.6,92.8 31.1,81.3 60.9,81.3 128.2,14 Z2.135@129.1,14
M3_TEMP_H3: X2-1.13 Z2.130 | length 210.8
  Top Layer w0.2: -19.6,84.92 -18.28,83.6 -16.1,83.6 2.7,64.8 2.7,19.6 9.6,12.7 128,12.7 131.1,15.8 v1(131.1,16.4)
  Bottom Layer w0.2: v1(131.1,16.4) Z2.130@132.9,16.4
M4_PWM_EN: X1-2.14 Z2.145 | length 32
  Top Layer w0.2: v1(131.2,9.1) 132.1,9.1 136.3,4.9 136.3,-1.9 144.7,-10.3 146.94,-10.3 148.2,-11.56
  Bottom Layer w0.2: Z2.145@129.1,10 130.3,10 v1(131.2,9.1)
M4_PWM_H1: X1-2.11 Z2.139 | length 26.8
  Top Layer w0.2: v1(131.2,11.5) 132.1,11.5 138.1,5.5 138.1,3.9 144.7,-2.7 146.96,-2.7 148.2,-3.94
  Bottom Layer w0.2: Z2.139@129.1,12.4 130.3,12.4 v1(131.2,11.5)
M4_PWM_H2: X1-2.12 Z2.141 | length 28.6
  Top Layer w0.2: v1(131.2,10.7) 132.1,10.7 137.5,5.3 137.5,1.9 144.6,-5.2 146.92,-5.2 148.2,-6.48
  Bottom Layer w0.2: Z2.141@129.1,11.6 130.3,11.6 v1(131.2,10.7)
M4_PWM_H3: X1-2.13 Z2.143 | length 30.4
  Top Layer w0.2: v1(131.2,9.9) 132.1,9.9 136.9,5.1 136.9,-0.1 144.6,-7.8 146.98,-7.8 148.2,-9.02
  Bottom Layer w0.2: Z2.143@129.1,10.8 130.3,10.8 v1(131.2,9.9)
M4_PWM_L1: X1-2.15 Z2.140 | length 34.7
  Bottom Layer w0.2: Z2.140@132.9,12.4 133.7,12.4 137.6,8.5 137.6,-5.9 144.6,-12.9 147,-12.9 148.2,-14.1
M4_PWM_L2: X1-2.16 Z2.142 | length 36.4
  Bottom Layer w0.2: Z2.142@132.9,11.6 133.7,11.6 137,8.3 137,-7.8 144.6,-15.4 146.96,-15.4 148.2,-16.64
M4_PWM_L3: X1-2.17 Z2.144 | length 38.1
  Bottom Layer w0.2: Z2.144@132.9,10.8 132.933,10.767 133.633,10.767 136.4,8 136.4,-9.7 144.6,-17.9 146.92,-17.9 148.2,-19.18
M4_TEMP_H1: X2-1.15 Z2.132 | length 213.8
  Top Layer w0.2: -19.6,90 -18.3,88.7 -16.1,88.7 4.8,67.8 4.8,19.4 10.9,13.3 127.8,13.3 v1(130.4,15.9)
  Bottom Layer w0.2: v1(130.4,15.9) 130.508,15.9 130.808,15.6 Z2.132@132.9,15.6
M4_TEMP_H2: X2-2.2 Z2.134 | length 162.5
  Top Layer w0.2: -19.698,2.78 -18.478,4 0.4,4 6.7,10.3 129,10.3 131,12.3 133.6,12.3 135.2,13.9 135.2,14.5 134.9,14.8 v1(134.4,14.8)
  Bottom Layer w0.2: Z2.134@132.9,14.8 v1(134.4,14.8)
M4_TEMP_H3: X2-2.3 Z2.136 | length 159.2
  Top Layer w0.2: -19.7,5.32 -18.42,6.6 2.1,6.6 6.4,10.9 128.6,10.9 130.6,12.9 133.3,12.9 v1(134.4,14)
  Bottom Layer w0.2: Z2.136@132.9,14 v1(134.4,14)
NetB2_1: B2.1 B2.3 C5.2 Z6.1 | length 7.6
  Top Layer w0.2: Z6.1@35.1,71.25 35.15,71.2 36.53,71.2 ; B2.1@36.95,72.5 36.95,72.375 36.53,71.955 36.53,71.2 ; B2.3@38.85,72.5 38.85,70.65 38.6,70.4 C5.2@37.8,70.4 37.713,70.487 37.167,70.487 36.53,71.124 36.53,71.2
NetB2_5: B2.5 C6.1 Z7.2 | length 2.8
  Top Layer w0.2: B2.5@36.95,74.9 37.03,74.98 C6.1@37.03,76.2 37.03,77.62 Z7.2@37,77.65
NetD1_2: D1.2 R1.1 | length 1.7
  Top Layer w0.2: D1.2@61,45.3 R1.1@61,47.05
NetD2_2: D2.2 R2.1 | length 1.7
  Top Layer w0.2: D2.2@63.8,45.3 R2.1@63.8,47.05
NetD3_2: D3.2 R3.1 R4.1 | length 3.4
  Top Layer w0.2: R3.1@74.4,47.05 75.2,47.05 ; D3.2@75.2,45.3 75.2,47.05 ; R4.1@76,47.05 75.2,47.05
NetD4_1: D4.1 Q1.3 | length 2.8
  Top Layer w0.2: Q1.3@70.8,44.6 D4.1@70.8,47.4
NetD4_2: D4.2 R5.1 | length 1.7
  Top Layer w0.2: D4.2@70.8,49 R5.1@70.8,50.75
NetQ1_1: Q1.1 R6.1 | length 1.7
  Top Layer w0.2: R6.1@66.5,45.65 66.6,45.55 Q1.1@68.2,45.55
PESIO_07: Z2.96
PESIO_15: Z2.106
PESIO_23: Z2.116
PESIO_26: Z2.123
PESIO_27: Z2.125
PESIO_28: Z2.120
PESIO_29: Z2.122
PESIO_47: Z2.146
PESIO_48: Z2.147
PESIO_49: Z2.148
PS_I2C0_SCL: X1.1 Z1.52 | length 9.9
  Bottom Layer w0.2: Z1.52@51.4,92.9 51.4,94 54.3,96.9 X1.1@59.03,96.9
PS_I2C0_SDA: X1.2 Z1.54 | length 11.5
  Bottom Layer w0.2: Z1.54@52.2,92.9 52.2,93.7 52.8,94.3 58.97,94.3 X1.2@61.57,96.9
RSVIN_12V: R2.2 Z1.9 Z1.10 | length 58.5
  Top Layer w0.2: v1(34.6,91) 34.6,80.432 v1(34.643,80.389) ; R2.2@63.8,48.35 v1(63.8,50.6)
  Bottom Layer w0.2: Z1.9@34.6,89.1 v1(34.6,91) Z1.10@34.6,92.9 ; v1(34.643,80.389) 34.643,79.757 v1(63.8,50.6)
VIN_12V: R1.2 Z1.3 Z1.4 Z1.5 Z1.6 | length 63.5
  Top Layer w0.2: v1(28.8,81.6) 28.8,82.9 31.8,85.9 31.8,90.6 v1(32.2,91) ; R1.2@61,48.35 v1(61,50.6)
  Bottom Layer w0.2: v1(28.8,81.6) 30,81.6 v1(61,50.6) ; Z1.5@33,89.1 Z1.3@32.2,89.1 v1(32.2,91) Z1.4@32.2,92.9 Z1.6@33,92.9
pads on no net: J1.MH3 J1.MH4 J2.MH3 J2.MH4 J3.MH3 J3.MH4 J4.7 J4.8 J4.MH3 J4.MH4 J5.MH3 J5.MH4 J6.MH3 J6.MH4 J7.MH3 J7.MH4 J8.7 J8.8 J8.MH3 J8.MH4 MH1.1 MH2.1 MH3.1 MH4.1 X1-1.10 X1-2.18 X1-2.19 X2-1.10 X2-2.5 X2-2.6 X2-2.7 X2-2.8 X2-2.9 X2-2.11 X2-2.12 X2-2.13 X2-2.14 X2-2.15 X2-2.16 X2-2.17 X2-2.18 X2-2.19 X3-1.10 X3-2.17 X3-2.18 X3-2.19 X4-1.10 X4-1.12 X4-1.13 X4-1.14 X4-1.15 Z1.23 Z1.24 Z1.27 Z1.28 Z1.29 Z1.30 Z1.31 Z1.32 Z1.33 Z1.34 Z1.37 Z1.38 Z1.39 Z1.40 Z1.43 Z1.44 Z1.45 Z1.46 Z1.47 Z1.48 Z1.51 Z1.53 Z1.55 Z1.56 Z1.57 Z1.58 Z1.61 Z1.62 Z1.63 Z1.64 Z1.67 Z1.68 Z1.69 Z1.70 Z1.73 Z1.74 Z1.75 Z1.76 Z1.79 Z1.80 Z1.81 Z1.82 Z1.86 Z1.87 Z1.88 Z1.89 Z1.90 Z1.91 Z1.92 Z1.95 Z1.96 Z1.97 Z1.98 Z1.99 Z1.100 Z1.101 Z1.102 Z1.105 Z1.106 Z1.107 Z1.108 Z1.109 Z1.110 Z1.111 Z1.112 Z1.114 Z1.115 Z1.116 Z1.117 Z1.118 Z1.H1 Z1.H2 Z2.77 Z2.78 Z2.79 Z2.80 Z2.81 Z2.82 Z2.83 Z2.84 Z2.85 Z2.86 Z2.H1 Z2.H2 Z3.3 Z3.4 Z3.5 Z3.6 Z3.7 Z3.8 Z3.9 Z3.10 Z3.11 Z3.12 Z3.87 Z3.88 Z3.89 Z3.90 Z3.93 Z3.94 Z3.95 Z3.96 Z3.99 Z3.100 Z3.101 Z3.102 Z3.105 Z3.106 Z3.107 Z3.108 Z3.111 Z3.112 Z3.113 Z3.114 Z3.117 Z3.118 Z3.119 Z3.120 Z3.123 Z3.124 Z3.125 Z3.126 Z3.129 Z3.130 Z3.133 Z3.134 Z3.135 Z3.136 Z3.139 Z3.140 Z3.141 Z3.142 Z3.145 Z3.146 Z3.147 Z3.H1 Z3.H2

## Polygon pours and split planes (outlines as drawn)
GND on Top Layer "GND_L01_P005" (solid, remove dead copper, pour order 5): -29.9,119.8 158.1,119.8 158.1,-29.6 -29.9,-29.6
GND-ETH on Top Layer "GND-ETH_L01_P001" (solid, remove dead copper, pour order 1): -29.9,-16.4 135.9,-16.4 135.9,-29.6 -29.9,-29.6
AGND on Top Layer "AGND_L01_P000" (solid, remove dead copper, pour order 0): -29.9,-17.3 53.1,-17.3 53.1,-12.3 -29.9,-12.3
GND on Bottom Layer "GND_L04_P006" (solid, remove dead copper, pour order 6): -29.9,119.8 158.1,119.8 158.1,-29.6 -29.9,-29.6
AGND on Bottom Layer "AGND_L04_P004" (solid, remove dead copper, pour order 4): 127.9,68.2 134.1,68.2 134.1,57.8 127.9,57.8
GND on Signal "GND_L03_P007" (solid, remove dead copper, pour order 7): -29.9,119.8 158.1,119.8 158.1,-29.6 -29.9,-29.6
AGND on Signal "AGND_L-01_P-001" (solid, remove dead copper, pour order 3): -29.696,-17.3 53.1,-17.3 53.1,-16.502 66.002,-3.6 97.1,-3.6 108.5,7.8 108.5,35.8 126.8,54.1 132.3,54.1 135.4,57.2 135.4,68.3 126.3,68.3 92.5,34.5 92.5,8.9 18.3,8.9 -0.1,-9.5 -26.896,-9.5 -29.696,-12.3
GND on L02_GND "GND_L02_P002" (solid, remove dead copper, pour order 2): -29.9,119.8 158.1,119.8 158.1,-29.6 -29.9,-29.6

## Silkscreen, mask and mechanical layers (free items; w line width, h text height)
Top Overlay:
  text "3V3" at 74.2,39.9 h1.52 r270
  text "VIN_12V" at 59.5,39.8 h1.52 r270
  text "1V8" at 69.8,39.8 h1.52 r270
  text "RSVIN_12V" at 62.4,39.7 h1.52 r270
Bottom Overlay:
  text "2N" at 126.209,74.317 h1.5
  text "2P" at 126.181,69.317 h1.5
  text "4N" at 126.217,67.708 h1.5
  text "4P" at 126.189,62.708 h1.5
  text "VBUS" at 4.532,62.702 h1.5
  text "6N" at 126.185,61.108 h1.5
  text "6P" at 126.157,56.108 h1.5
  text "SATA only" at 57.1,55.178 h2
  text "8N" at 126.188,54.508 h1.5
  text "8P" at 126.16,49.508 h1.5
  text "10N" at 126.882,47.908 h1.5
  text "10P" at 126.855,42.908 h1.5
  text "12N" at 126.882,41.317 h1.5
  text "12P" at 126.855,36.317 h1.5
  text "14N" at 126.882,34.708 h1.5
  text "14P" at 126.855,29.708 h1.5
  text "16N" at 126.882,28.108 h1.5
  text "16P" at 126.855,23.108 h1.5
Bottom Courtyard:
  text "MicroZohm" at 132.826,35.393 h8 r90
  text "Zohm Control GmbH" at 28.2,-1.254 h5
  text "Intelligent Control Platforms and Algorithms" at 28.3,-3.364 h2.3

## Text inside footprints (layer, text, board x,y; h text height)
Z1: Mechanical 20 "119" at 80.3,88.6 h0.5; Mechanical 20 "120" at 80.3,93 h0.5; Mechanical 20 "1" at 30.9,88.6 h0.5; Mechanical 20 "2" at 31,93 h0.5
Z2: Mechanical 20 "149" at 128.6,6.6 h0.5 r270; Mechanical 20 "150" at 133,6.7 h0.5 r270; Mechanical 20 "1" at 129,68 h0.5; Mechanical 20 "2" at 133.3,68 h0.5
Z3: Mechanical 20 "149" at 89.3,-3.4 h0.5; Mechanical 20 "150" at 89.3,0.8 h0.5; Mechanical 20 "1" at 27.9,-3.4 h0.5; Mechanical 20 "2" at 27.9,0.8 h0.5